# Altium PCB Booster_Main_Board.PcbDoc (part 11 of 11)
Units mil, origin at the board's own origin, x right, y up, seen from the top; angles counter-clockwise.
Board outline 15748.38 x 4626.33 mil, 4 copper layers (Component Side, Signal Layer 1, Power Plane, Solder Side), stack 63.149 mil thick; 999 components, 572 nets, 2902 pads, 1949 vias.
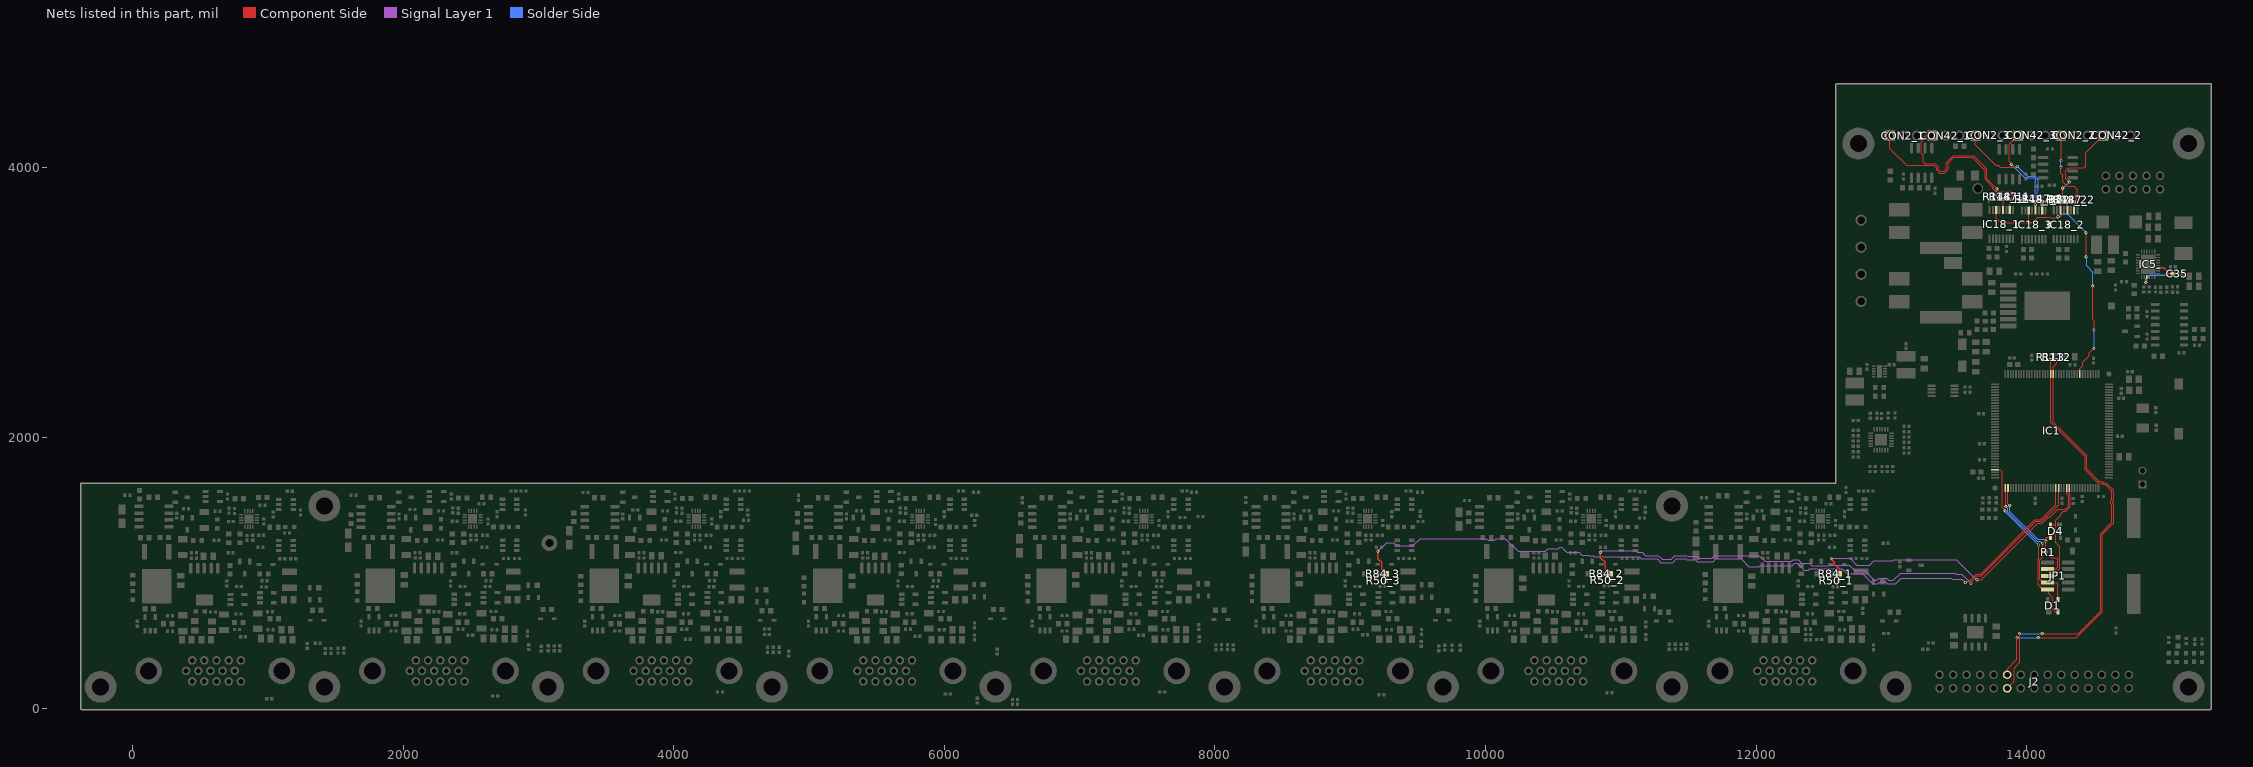
[diagram p13: the nets of this part, all layers, seen from the top]

## Via types
v1: diameter 23.62, hole 11.81, Component Side to Solder Side, tented both sides, 1910 vias
v2: diameter 50, hole 28, Component Side to Solder Side, tented both sides, 24 vias
v3: diameter 23.62, hole 11.81, Component Side to Solder Side, 10 vias
v4: diameter 47.24, hole 31.5, Component Side to Solder Side, 5 vias

## Nets (pads, with @x,y where several pads share a name; then routed paths per layer and width w, separated by ;. In a path a pad name is that pad's centre, name@x,y a point inside that pad or via, vN(x,y) a via of type N, cw(c..) or ccw(c..) an arc to the next point about the centre after c; other vN are vias at no path point) (continued)
SIG_ON_CH5: IC1.128 R50_3.1 R84_3.2 | length 5970.7
  Component Side w6: v1(13545,929) 13556,940 13574.88,940 13626.2,991.31 13659.88,991.31 14060.57,1392 14103.94,1392 14215.53,1503.59 IC1.128@14215.53,1627.74
  Component Side w10: v1(9204,1160) 9204,1105.14 9231.39,1077.75 9231.39,1031.96 R84_3.2@9270.21,993.14 9270.21,950.13 R50_3.1@9262.22,942.14
  Signal Layer 1 w6: v1@9204,1156 v1(9204,1160) 9267.95,1223.95 9320.05,1223.95 9342.81,1201.19 9463.19,1201.19 9516,1254 10006.07,1254 10018.47,1241.61 10065.53,1241.61 10077.93,1254 10147,1254 10242.02,1158.98 10440.39,1158.98 10459.4,1178 10536.57,1178 10547.38,1188.81 10564.62,1188.81 10582.81,1170.62 10582.81,1170.25 10601.06,1152 10692,1152 10712.05,1131.95 10757.85,1131.95 10761.8,1128 10798,1128 10806.81,1119.19 11134.61,1119.19 11150.85,1102.95 11268.51,1102.95 11295.17,1076.29 11382,1076.29 11408.66,1102.95 11483.28,1102.95 11487.83,1098.4 11551.37,1098.4 11565.79,1083.98 11682.9,1083.98 11701.88,1102.95 11888.05,1102.95 11946,1045 12023.12,1045 12031.12,1053 12265.57,1053 12285.38,1072.81 12302.62,1072.81 12357.14,1018.29 12384.75,1018.29 12395.65,1029.19 12635.72,1029.19 12671.91,993 12788.03,993 12861.03,920 12900.68,920 12915.49,934.81 12953.56,934.81 12968.37,920 13030,920 13071.81,961.81 13443.62,961.81 13451.24,954.19 13519.81,954.19 v1(13545,929)
SIG_ON_CH6: IC1.129 R50_2.1 R84_2.2 | length 4220.7
  Component Side w6: v1(13588,922) 13588,936.15 13631.17,979.31 13664.88,979.31 14065.57,1380 14110.63,1380 14152.26,1421.63 14153.63,1421.63 14235.21,1503.21 IC1.129@14235.21,1627.74
  Component Side w10: v1(10849,1152) 10849,1113.68 10884.94,1077.75 10884.94,1031.96 R84_2.2@10923.76,993.14 10923.76,950.13 R50_2.1@10915.76,942.14
  Signal Layer 1 w6: v1(10849,1152) 10860,1163 11112.72,1163 11122.85,1152.87 11157.16,1152.87 11182.08,1127.95 11277.45,1127.95 11305.11,1100.29 11372.06,1100.29 11399.72,1127.95 11492.22,1127.95 11497.77,1122.4 11561.31,1122.4 11575.73,1107.98 11672.96,1107.98 11692.94,1127.95 11975.76,1127.95 11976.76,1126.95 12023.76,1126.95 12066.39,1084.33 12262.96,1084.33 12275.44,1096.81 12312.56,1096.81 12337.37,1072 12391.02,1072 12409.83,1053.19 12534,1053.19 12539,1058.19 12689.87,1058.19 12730.06,1018 12798.63,1018 12872.63,944 12890.74,944 12905.55,958.81 12963.5,958.81 12978.31,944 13014,944 13068,998 13206.6,998 13208.41,996.19 13269.19,996.19 13271,998 13470,998 13479,989 13521,989 v1(13588,922)
SIG_ON_CH7: IC1.132 R50_1.1 R84_1.2 | length 2407.2
  Component Side w6: v1(13632,950) 13665,950 14083,1368 14115.6,1368 14157.23,1409.63 14169.63,1409.63 14229.19,1469.19 14285.35,1469.19 14308.81,1492.65 14308.81,1571.62 14294.27,1586.16 IC1.132@14294.27,1627.74
  Component Side w10: v1(12558,1107) 12558,1097.6 12577.85,1077.75 12577.85,1065.59 12616.67,1026.77 R84_1.2@12616.67,993.14 12616.67,950.13 R50_1.1@12608.68,942.14
  Signal Layer 1 w6: v1(12558,1107) 12694,1107 12743,1058 12839,1058 12870.45,1089.45 13010.02,1089.45 13017.38,1096.81 13078.38,1096.81 13079.38,1097.81 13480.62,1097.81 13628.43,950 v1(13632,950)
SWCLK: D1.3 IC1.109 JP1.4 | length 1077.2
  Component Side w6: IC1.109@13841.51,1627.74 13837,1623.23 13845,1615.23 v1(13845,1490) ; v1(14117,1217) 14117,1117.6 14096.98,1097.58 14096.98,953.02 14122,928 JP1.4@14153.23,928 14219.64,928 14230.31,917.32 D1.3@14230.31,803.15
  Solder Side w6: v1(13845,1490) 13845,1489 13860.81,1473.19 13860.81,1449.16 14076.97,1233 14101,1233 v1(14117,1217)
SWDIO: D1.2 IC1.105 JP1.2 | length 1302.1
  Component Side w6: IC1.105@13764.74,1763.57 13804.42,1763.57 13817.75,1750.23 13817.75,1482.25 v1(13840,1460) ; v1(14087,1206) 14087.81,1205.19 14087.81,1105.38 14084.98,1102.55 14084.98,912.02 14119,878 JP1.2@14153.23,878 14163.39,867.84 14163.39,846.46 14192.91,816.93 14192.91,728.35 14208.66,712.6 D1.2@14230.31,712.6
  Solder Side w6: v1(13840,1460) 13840,1453 v1(14087,1206)
SWN1: IC1.54 J2.19 R112.1 | length 3140.5
  Component Side w6: J2.19@13855.12,246.85 13855.12,289.12 13927.08,361.08 v1@13927.08,521.65 ; v1(14084.65,521.65) 14367.36,521.65 14559,713.29 14559,1285.03 14643,1369.03 14643,1504.57 14634.19,1513.38 14634.19,1530.62 14643.78,1540.22 14643.78,1577.48 14642,1579.26 14642,1609.08 14587.7,1663.38 14573.59,1663.38 14558.7,1678.27 14533.36,1678.27 14442.81,1768.82 14442.81,1867.19 14195.84,2114.16 IC1.54@14195.84,2470.26 14195.84,2522.84 14221,2548 R112.1@14221,2576.5
  Solder Side w6: v1(13927.17,521.65) v1(14084.65,521.65)
SWN2: IC1.55 J2.20 R113.1 | length 3225.2
  Component Side w6: J2.20@13855.12,146.85 13906,197.73 13906,297 13947.98,338.98 v1@13947.98,551.18 ; v1(14114.15,551.18) 14379.92,551.18 14547,718.26 14547,1290 14630,1373 14630,1500.6 14622.19,1508.41 14622.19,1535.59 14630,1543.4 14630,1604.11 14582.73,1651.38 14568.62,1651.38 14559,1661 14545.39,1661 14540.12,1666.27 14528.39,1666.27 14520.66,1674 14518,1674 14430.81,1761.19 14430.81,1857.19 14176.16,2111.84 IC1.55@14176.16,2470.26 14176.16,2575.65 R113.1@14177,2576.5
  Solder Side w6: v1(13946.85,551.18) 13947.98,550.06 14113.02,550.06 v1(14114.15,551.18)
TACH1_1: CON2_1.1 IC18_1.2 R147_1.1 | length 1454.6
  Component Side w6: CON2_1.1@12987.61,4232.09 12989.02,4230.69 12989.02,4135.98 13111.41,4013.59 13312.7,4013.59 13335.3,3991 13335.3,3978.54 13358.78,3955.06 13391.12,3955.06 13418,3981.94 13418,4027.12 13461.37,4070.49 13598.05,4070.49 13680.16,3988.38 13686.07,3988.38 13693.1,3981.35 13693.1,3908.04 13749.3,3851.84 13749.3,3839.38 13771.41,3817.27 13889.95,3817.27 13895.22,3812 13895.22,3781.05 R147_1.1@13874.02,3759.84 13874.02,3683.56 IC18_1.2@13874.51,3683.07
TACH1_2: CON2_2.1 IC18_2.2 R147_2.1 | length 644.9
  Component Side w6: CON2_2.1@14251.39,4233.08 14253.94,4230.53 v1(14253.94,4048.23) ; v1(14252.95,3999.02) 14252.95,3954.72 14266,3941.68 14266,3890.35 14300.39,3855.97 14351.71,3855.97 14374.02,3833.66 14374.02,3764.63 14367.31,3757.93 14365.21,3757.93 14351.38,3744.09 R147_2.1@14351.38,3741.34 14349.9,3739.86 IC18_2.2@14349.9,3681.1
  Solder Side w6: v1(14252.95,3999.02) 14252.95,4047.24 v1(14253.94,4048.23)
TACH1_3: CON2_3.1 IC18_3.2 R147_3.1 | length 924.7
  Component Side w6: CON2_3.1@13620.48,4233.08 13620.48,4163.67 13769.72,4014.43 13788.03,4014.43 13803.74,3998.72 13926.75,3998.72 v1@13930,4001.97 ; v1(13930,4003.96) v1@13930,4010 ; IC18_3.2@14114.67,3679.13 v1(14114.67,3721.46) 14114.67,3741.83 R147_3.1@14118.11,3745.28
  Solder Side w6: v1(13930,4003.96) 14001.96,3932 14030.6,3932 14031.41,3932.81 14058.59,3932.81 14084.79,3906.61 14084.79,3831.93 14076.67,3823.81 14076.67,3761.7 14074.8,3759.84 14076.28,3759.84 v1(14114.67,3721.46)
TACH2_1: CON42_1.1 IC18_1.4 R148_1.1 | length 1278.8
  Component Side w6: CON42_1.1@13302.57,4232.09 13252.76,4232.09 13234.01,4213.34 13234.01,4200.32 13221.46,4187.76 13221.46,4100.16 13235.24,4086.38 13235.24,4038.39 13248.03,4025.59 13327,4025.59 13327,4021.05 13347.3,4000.75 13347.3,3983.51 13363.75,3967.06 13386.15,3967.06 13406,3986.91 13406,4032.09 13456.4,4082.49 13608.93,4082.49 13705.1,3986.32 13705.1,3913.01 v1(13779.53,3838.58) ; v1(13766.58,3784.29) 13766.58,3782.64 13793.17,3756.05 13822.98,3756.05 R148_1.1@13826.77,3759.84 13826.77,3685.33 IC18_1.4@13824.51,3683.07
  Signal Layer 1 w6: v1(13766.58,3784.29) 13779.53,3797.24 v1(13779.53,3838.58)
TACH2_2: CON42_2.1 IC18_2.4 R148_2.1 | length 782.8
  Component Side w6: v1(14266.44,3842.71) 14266.44,3772.93 14298.03,3741.34 R148_2.1@14299.21,3741.34 14299.9,3740.65 IC18_2.4@14299.9,3681.1 ; v1(14313.98,3888.78) 14313.52,3888.78 14290,3912.3 14290,3977.7 14303.3,3991 14311,3991 14312.82,3992.82 14424.91,3992.82 14437.01,4004.92 14437.01,4105.31 14564.77,4233.08 CON42_2.1@14566.35,4233.08
  Solder Side w6: v1(14266.44,3842.71) 14267.9,3842.71 v1(14313.98,3888.78)
TACH2_3: CON42_3.1 IC18_3.4 R148_3.1 | length 704.9
  Component Side w6: v1(13885,4019.53) 13885,4030 13871.06,4043.94 13871.06,4168.69 CON42_3.1@13935.45,4233.08 ; IC18_3.4@14064.67,3679.13 v1(14064.67,3721.46)
  Solder Side w6: v1(13885,4019.53) 13984.53,3920 14035.57,3920 14036.38,3920.81 14053.62,3920.81 14065.81,3908.62 14065.81,3891.38 14064.67,3890.23 14064.67,3766.68 14062.8,3764.81 14062.8,3723.32 v1(14064.67,3721.46)
TDI: D4.3 IC1.110 JP1.8 R1.2 | length 930.8
  Component Side w6: IC1.110@13861.2,1627.74 13861.2,1512.8 v1(13875,1499) ; JP1.8@14153.23,1028 14213,1028 14231,1046 14231,1101 14220.5,1111.5 14182.5,1111.5 14141.5,1152.5 R1.2@14141.5,1154 14142,1154.5 v1(14142,1235) 14143.7,1236.7 14143.7,1259.84 14147.64,1263.78 D4.3@14175.2,1263.78
  Solder Side w6: v1(13875,1499) 13875,1451.94 14079.94,1247 14128,1247 14140,1235 v1(14142,1235)
TDO: D4.2 IC1.133 JP1.6 | length 772.2
  Component Side w6: D4.2@14175.2,1354.33 14209.5,1354.33 14213.44,1358.27 ; JP1.6@14196,985 14243,1032 14243,1191.81 14213.44,1221.37 14213.44,1358.27 ; IC1.133@14313.95,1627.74 14313.95,1583.45 14320.81,1576.59 14320.81,1487.68 14289.37,1456.24 14271.28,1456.24 14250.81,1435.78 14250.81,1425.94 14213.44,1388.57 14213.44,1358.27
THERMN: IC1.44 IC18_1.6 IC18_2.6 IC18_3.6 R22.2 | length 2159.1
  Component Side w6: IC18_1.6@13774.51,3683.07 13774.51,3622.05 13807.8,3588.76 v1(14014.46,3588.76) ; IC18_3.6@14014.67,3679.13 14014.67,3588.96 v1(14014.46,3588.76) ; v1@14230.9,3624.02 14173.13,3624.02 14167.08,3630.06 14080.95,3630.06 14058.21,3607.33 14058.21,3599.65 14046.02,3587.46 14015.76,3587.46 v1(14014.46,3588.76) ; v1@14241.2,3628.02 14249.9,3636.71 IC18_2.6@14249.9,3681.1 14249.9,3735.53 R22.2@14244.09,3741.34 ; IC1.44@14392.69,2470.26 14392.69,2509.52 14412.7,2529.53 14412.7,2555.28 14459.8,2602.37 14459.8,2607.62 14461.94,2609.77 14461.94,2631.24 14464.66,2631.24 14490.9,2657.47 v1(14498,2657.47) ; v1(14438.95,3336.61) v1(14438.98,3513.78) ; v1(14488.19,3120.08) 14488.19,3100.39 14489.29,3099.3 14489.29,3072.08 14488.19,3070.99 14488.19,2874.02 14498.03,2864.17 v1(14498.03,2795.28)
  Solder Side w6: v1(14230.9,3632.78) 14241.31,3632.78 14242.2,3631.89 14263,3652.69 14300.06,3652.69 v1(14438.98,3513.78) ; v1(14438.95,3336.61) 14442.26,3333.3 14442.26,3268.85 14488.19,3222.92 v1(14488.19,3120.08) ; v1(14498,2657.47) v1(14498.03,2795.28)
VIN_REG_N7: C35.2 IC5.11 IC5.17 | length 385.9
  Component Side w10: v1(14879.86,3145.61) 14879.86,3152.61 14887.02,3159.76 IC5.11@14887.02,3187.12 ; IC5.17@14971.66,3252.08 14991.73,3252.08 14994.86,3255.2 15014.09,3255.2 15036.86,3232.44 v1(15036.86,3208.61) 15037.86,3209.61 C35.2@15080.36,3209.61
  Solder Side w10: v1(14879.86,3145.61) 14879.86,3170.61 14910.04,3200.79 15029.04,3200.79 v1(15036.86,3208.61)
pads on no net: IC1.6 IC1.7 IC1.8 IC1.9 IC1.10 IC1.11 IC1.12 IC1.46 IC1.47 IC1.49 IC1.50 IC1.53 IC1.87 IC1.88 IC1.92 IC1.96 IC1.97 IC1.100 IC1.112 IC1.113 IC1.135 IC1.FTG1 IC1.FTG2 IC4.4 IC4.7 IC9_1.7 IC9_2.7 IC9_3.7 IC9_4.7 IC9_5.7 IC9_6.7 IC9_7.7 IC9_8.7 IC12.4 IC12.7 IC18_1.7 IC18_2.7 IC18_3.7 JP1.7 JP1.9 U1_1.7 U1_2.7 U1_3.7 U1_4.7 U1_5.7 U1_6.7 U1_7.7 U1_8.7
copper on no net: | length 104050.8
  Component Side w1: 10290.24,2004.27 10389.92,2103.96 10509.92,2223.96 10629.92,2343.96 10749.92,2463.96 10869.92,2583.96 10989.92,2703.96 11109.92,2823.96 11229.92,2943.96 11349.92,3063.96 11409.92,3123.96 ; 10290.24,2064.27 10329.92,2103.96 10449.92,2223.96 10569.92,2343.96 10689.92,2463.96 10809.92,2583.96 10929.92,2703.96 11049.92,2823.96 11169.92,2943.96 11289.92,3063.96 11409.92,3183.96 ; 10290.24,2124.27 10389.92,2223.96 10509.92,2343.96 10629.92,2463.96 10749.92,2583.96 10869.92,2703.96 10989.92,2823.96 11109.92,2943.96 11229.92,3063.96 11349.92,3183.96 11409.92,3243.96 ; 10290.24,2184.27 10329.92,2223.96 10449.92,2343.96 10569.92,2463.96 10689.92,2583.96 10809.92,2703.96 10929.92,2823.96 11049.92,2943.96 11169.92,3063.96 11289.92,3183.96 11409.92,3303.96 ; 10290.24,2244.27 10389.92,2343.96 10509.92,2463.96 10629.92,2583.96 10749.92,2703.96 10869.92,2823.96 10989.92,2943.96 11109.92,3063.96 11229.92,3183.96 11349.92,3303.96 ; 10290.24,2304.27 10329.92,2343.96 10449.92,2463.96 10569.92,2583.96 10689.92,2703.96 10809.92,2823.96 10929.92,2943.96 11049.92,3063.96 11169.92,3183.96 11289.92,3303.96 ; 10290.24,2364.27 10389.92,2463.96 10509.92,2583.96 10629.92,2703.96 10749.92,2823.96 10869.92,2943.96 10989.92,3063.96 11109.92,3183.96 11229.92,3303.96 ; 10290.24,2424.27 10329.92,2463.96 10449.92,2583.96 10569.92,2703.96 10689.92,2823.96 10809.92,2943.96 10929.92,3063.96 11049.92,3183.96 11169.92,3303.96 ; 10290.24,2484.27 10389.92,2583.96 10509.92,2703.96 10629.92,2823.96 10749.92,2943.96 10869.92,3063.96 10989.92,3183.96 11109.92,3303.96 ; 10290.24,2544.27 10329.92,2583.96 10449.92,2703.96 10569.92,2823.96 10689.92,2943.96 10809.92,3063.96 10929.92,3183.96 11049.92,3303.96 ; 10290.24,2604.27 10389.92,2703.96 10509.92,2823.96 10629.92,2943.96 10749.92,3063.96 10869.92,3183.96 10989.92,3303.96 ; 10290.24,2664.27 10329.92,2703.96 10449.92,2823.96 10569.92,2943.96 10689.92,3063.96 10809.92,3183.96 10929.92,3303.96 ; 10290.24,2724.27 10389.92,2823.96 10509.92,2943.96 10629.92,3063.96 10749.92,3183.96 10869.92,3303.96 ; 10290.24,2784.27 10329.92,2823.96 10449.92,2943.96 10569.92,3063.96 10689.92,3183.96 10809.92,3303.96 ; 10290.24,2844.27 10389.92,2943.96 10509.92,3063.96 10629.92,3183.96 10749.92,3303.96 ; 10290.24,2904.27 10329.92,2943.96 10449.92,3063.96 10569.92,3183.96 10689.92,3303.96 ; 10290.24,2964.27 10389.92,3063.96 10509.92,3183.96 10629.92,3303.96 ; 10290.24,3024.27 10329.92,3063.96 10449.92,3183.96 10569.92,3303.96 ; 10290.24,3084.27 10389.92,3183.96 10509.92,3303.96 ; 10290.24,3144.27 10329.92,3183.96 10449.92,3303.96 ; 10290.24,3204.27 10389.92,3303.96 ; 10290.24,3264.27 10329.92,3303.96 ; 10329.92,1983.96 10449.92,2103.96 10569.92,2223.96 10689.92,2343.96 10809.92,2463.96 10929.92,2583.96 11049.92,2703.96 11169.92,2823.96 11289.92,2943.96 11409.92,3063.96 ; 10389.92,1983.96 10509.92,2103.96 10629.92,2223.96 10749.92,2343.96 10869.92,2463.96 10989.92,2583.96 11109.92,2703.96 11229.92,2823.96 11349.92,2943.96 11409.92,3003.96 ; 10449.92,1983.96 10569.92,2103.96 10689.92,2223.96 10809.92,2343.96 10929.92,2463.96 11049.92,2583.96 11169.92,2703.96 11289.92,2823.96 11409.92,2943.96 ; 10509.92,1983.96 10629.92,2103.96 10749.92,2223.96 10869.92,2343.96 10989.92,2463.96 11109.92,2583.96 11229.92,2703.96 11349.92,2823.96 11409.92,2883.96 ; 10569.92,1983.96 10689.92,2103.96 10809.92,2223.96 10929.92,2343.96 11049.92,2463.96 11169.92,2583.96 11289.92,2703.96 11409.92,2823.96 ; 10629.92,1983.96 10749.92,2103.96 10869.92,2223.96 10989.92,2343.96 11109.92,2463.96 11229.92,2583.96 11349.92,2703.96 11409.92,2763.96 ; 10689.92,1983.96 10809.92,2103.96 10929.92,2223.96 11049.92,2343.96 11169.92,2463.96 11289.92,2583.96 11409.92,2703.96 ; 10749.92,1983.96 10869.92,2103.96 10989.92,2223.96 11109.92,2343.96 11229.92,2463.96 11349.92,2583.96 11409.92,2643.96 ; 10809.92,1983.96 10929.92,2103.96 11049.92,2223.96 11169.92,2343.96 11289.92,2463.96 11409.92,2583.96 ; 10869.92,1983.96 10989.92,2103.96 11109.92,2223.96 11229.92,2343.96 11349.92,2463.96 11409.92,2523.96 ; 10929.92,1983.96 11049.92,2103.96 11169.92,2223.96 11289.92,2343.96 11409.92,2463.96 ; 10989.92,1983.96 11109.92,2103.96 11229.92,2223.96 11349.92,2343.96 11409.92,2403.96 ; 11049.92,1983.96 11169.92,2103.96 11289.92,2223.96 11409.92,2343.96 ; 11109.92,1983.96 11229.92,2103.96 11349.92,2223.96 11409.92,2283.96 ; 11169.92,1983.96 11289.92,2103.96 11409.92,2223.96 ; 11229.92,1983.96 11349.92,2103.96 11409.92,2163.96 ; 11289.92,1983.96 11409.92,2103.96 ; 11349.92,1983.96 11409.92,2043.96
  Component Side w15: 6861.12,2103.96 7271.03,2103.96 8210.78,2103.96 9070.54,2103.96 9720.38,2103.96 10290.24,2103.96 11409.92,2103.96 ; 6861.12,2223.96 7271.03,2223.96 8210.78,2223.96 9070.54,2223.96 9720.38,2223.96 10290.24,2223.96 11409.92,2223.96 ; 6861.12,2343.96 7271.03,2343.96 8210.78,2343.96 9070.54,2343.96 9720.38,2343.96 10290.24,2343.96 11409.92,2343.96 ; 6861.12,2463.96 7271.03,2463.96 8210.78,2463.96 9070.54,2463.96 9720.38,2463.96 10290.24,2463.96 11409.92,2463.96 ; 6861.12,2583.96 7271.03,2583.96 8210.78,2583.96 9070.54,2583.96 9720.38,2583.96 10290.24,2583.96 11409.92,2583.96 ; 6861.12,2703.96 7271.03,2703.96 8210.78,2703.96 9070.54,2703.96 9720.38,2703.96 10290.24,2703.96 11409.92,2703.96 ; 6861.12,2823.96 7271.03,2823.96 8210.78,2823.96 9070.54,2823.96 9720.38,2823.96 10290.24,2823.96 11409.92,2823.96 ; 6861.12,2943.96 7271.03,2943.96 8210.78,2943.96 9070.54,2943.96 9720.38,2943.96 10290.24,2943.96 11409.92,2943.96 ; 6861.12,3063.96 7271.03,3063.96 8210.78,3063.96 9070.54,3063.96 9720.38,3063.96 10290.24,3063.96 11409.92,3063.96 ; 6861.12,3183.96 7271.03,3183.96 8210.78,3183.96 9070.54,3183.96 9720.38,3183.96 10290.24,3183.96 11409.92,3183.96 ; 6861.12,3303.96 11409.92,3303.96 ; 7271.03,3423.96 7271.03,1983.96 ; 8210.78,3423.96 8210.78,1983.96 ; 9070.54,3423.96 9070.54,1983.96 ; 9720.38,3423.96 9720.38,1983.96 ; 10290.24,3423.96 10290.24,1983.96 ; 7271.03,1983.96 8210.78,1983.96 ; 7271.03,1983.96 6861.12,1983.96 6861.12,3423.96 11409.92,3423.96 11409.92,1983.96 10290.24,1983.96 ; 8210.78,1983.96 9070.54,1983.96 ; 9070.54,1983.96 9720.38,1983.96 ; 9720.38,1983.96 10290.24,1983.96

## Polygon pours and split planes (outlines as drawn)
P6V5 on Solder Side "Solder Side-No Net" (solid, remove dead copper, pour order 68): 13149.61,787.4 13464.57,1102.36 13464.57,2480.31 13543.31,2559.05 13543.31,2805.12 13435.04,2805.12 13188.98,2559.06 13188.98,1181.1 12992.13,984.25 472.44,984.25 472.44,787.4
P30V0 on Solder Side "Solder Side-No Net" (solid, remove dead copper, pour order 58): 13188.98,2598.43 13464.57,2874.02 13464.57,3172.57 13572.83,3280.83 13572.84,3740.16 12962.6,3740.16 12627.95,3405.51 12627.95,1663.39 -374.02,1663.39 -374.02,994.09 12992.13,994.09 13188.98,1190.94
GND on Solder Side "ML1_BAL" (solid, remove dead copper, pour order 48): -354.33,984.25 462.6,984.25 462.6,777.56 472.44,767.72 482.28,777.56 13149.61,777.56 13169.29,777.56 13484.25,1092.52 13484.25,1161.42 13484.25,2480.31 13503.94,2500 13553.15,2549.21 13553.15,2598.43 13553.15,2824.8 13484.25,2824.8 13484.25,3169.29 13503.94,3188.98 13592.52,3277.56 13592.52,3366.14 13592.52,3753.4 14660.73,3753.4 14660.73,3055.81 14734.25,2982.28 14881.89,2982.28 15206.69,2982.28 15255.91,3031.5 15255.91,3090.55 15255.91,3700.79 15246.06,3710.63 15243.36,3707.92 14901.57,3707.92 14763.53,3707.92 14701.77,3769.68 13503.94,3769.69 13238.19,3769.69 12972.44,3769.69 12785.43,3582.68 12677.17,3474.41 12667.32,3474.41 12637.8,3444.88 12618.11,3425.2 12599.43,3425.2 12608.27,3434.04 12608.27,4330.71 15344.49,4330.71 15354.33,4320.87 15344.49,4311.02 15344.49,0 -354.33,0
N8V0 on Solder Side "Top-No Net" (solid, remove dead copper, pour order 28): 14665.35,3681.1 15236.22,3681.1 15236.22,3031.5 15216.54,3011.81 14940.94,3011.81 14921.26,3011.81 14901.57,2992.13 14803.15,2992.13 14744.09,2992.13 14704.72,3031.5 14665.35,3070.87 14665.35,3484.25 14665.35,3681.1
N8V0 on Signal Layer 1 "Signal Layer 1-No Net" (solid, remove dead copper, pour order 66): 14751.97,3169.29 14751.97,3314.96 14751.97,3697.34 14488.19,3697.34 14488.19,3328.87 13415.36,3326.79 13188.98,3326.79 13188.98,1525.59 13462,1252.57 13462,787.4 13020.01,787.4 12879.44,683.15 682.42,683.15 682.42,472.44 12874.02,472.44 13228.35,472.44 13267.72,511.81 13503.94,511.81 13818.9,826.77 13818.9,1181.1 13415.36,1584.64 13415.36,3169.29
P3V3 on Signal Layer 1 "Signal Layer 1-No Net 1" (solid, remove dead copper, pour order 54): 12578.74,1673.23 12599.43,1673.23 12598.43,1674.23 12598.43,4606.3 15354.33,4606.3 15354.33,0 15334.65,19.69 13267.72,19.69 13267.72,467.31 13292.53,492.13 13523.62,492.13 13838.58,807.09 13838.58,1200.09 13444.19,1594.49 13444.88,1595.18 13444.88,3149.61 14606.3,3149.61 14842.52,2913.39 15157.48,2913.39 15172.64,2928.54 15172.64,3725 14505.17,3725 14468.5,3688.34 14468.5,3346.46 13169.29,3346.46 13169.29,1515.75 13248.03,1437.01 13248.03,1417.32 13240.92,1410.21 12710.97,1410.21 12539.37,1581.81 12578.74,1621.18
N8V0R on Signal Layer 1 "Signal Layer 1-No Net 1" (solid, remove dead copper, pour order 76): 14771.65,3700.79 15157.48,3700.79 15157.48,2944.88 15141.73,2929.13 14850.39,2929.13 14767.72,3011.81 14767.72,3696.85
P3V3 on Signal Layer 1 "ML1_BAL" (solid, remove dead copper, pour order 46): -374.02,1663.56 -364.35,1673.23 12578.74,1673.23 12578.74,1633.86 12785.6,1427 12903.54,1427 12933.07,1427 12933.07,708.66 688.98,708.66 629.92,649.61 649.61,629.92 649.61,531.5 649.61,482.28 688.98,442.91 698.82,433.07 698.82,0 -364.17,0
GND on Component Side "Signal Layer 1-No Net 1" (solid, remove dead copper, pour order 74): 14708.66,3673.23 14864.08,3673.23 14864.08,3523.62 14708.66,3523.62
N8V0 on Component Side "Signal Layer 1-No Net 1" (solid, remove dead copper, pour order 72): 14700.79,3673.23 14700.79,3531.5 14578.74,3531.5 14578.74,3334.65 14574.8,3330.71 14570.87,3334.65 14467.63,3334.65 14452.76,3349.52 14452.76,3625.98 14500,3673.23
N8V0R on Component Side "Signal Layer 1-No Net 1" (solid, remove dead copper, pour order 70): 14940.94,3688.98 14940.94,3440.94 14897.64,3440.94 14889.76,3433.07 14889.76,3357.08 14885.83,3353.14 14885.83,3334.65 14879.14,3334.65 14867.33,3322.83 14783.46,3322.83 14767.72,3338.58 14586.61,3338.58 14586.61,3342.52 14586.61,3519.69 14866.14,3519.69 14866.14,3681.1 14874.02,3688.98
GND on Component Side "Signal Layer 1-No Net 1" (solid, pour order 62): 13208.66,3484.25 13503.94,3484.25 13503.94,3582.68 13700.79,3582.68 13700.79,3346.46 13696.85,3342.52 13696.85,3303.15 13759.84,3303.15 13759.84,3208.66 13208.66,3208.66
P12V0 on Component Side "Top-No Net" (solid, remove dead copper, pour order 26): 13527.56,3228.35 14409.45,3228.35 14448.82,3267.72 14448.82,3307.09 14468.5,3326.77 14842.52,3326.77 14842.52,3267.72 14803.15,3267.72 14645.67,3110.24 13527.56,3110.24
GND on Component Side "ML1_BAL" (solid, remove dead copper, pour order 36): 14950.79,3690.94 14950.79,3435.04 15265.75,3435.04 15265.75,3681.1 15255.91,3690.94 14960.63,3690.94
P3V3 on Component Side "ML1_BAL" (solid, remove dead copper, pour order 32): 12696.85,2677.17 12805.12,2785.43 13218.5,2785.43 13336.61,2667.32 13356.3,2647.64 13356.3,2588.58 13356.3,2509.84 13307.09,2460.63 13208.66,2362.2 13169.29,2362.2 13031.5,2362.2 13011.81,2381.89 12952.76,2440.94 12952.76,2500 12952.76,2529.53 12923.23,2559.06 12785.43,2559.06 12696.85,2559.06 12687.01,2568.9 12687.01,2667.32
GND on Component Side "Signal Layer 1-No Net 1" (solid, remove dead copper, pour order 64): 13700.79,3090.55 13169.29,3090.55 13169.29,2814.96 13582.68,2814.96 13582.68,2913.39 13720.47,2913.39 13720.47,3005.51 13746.46,3031.5 13779.53,3031.5 13779.53,3090.55
P30V0 on Component Side "Signal Layer 1-No Net 1" (solid, remove dead copper, pour order 60): 13208.66,3503.94 13484.25,3503.94 13484.25,3602.36 13681.1,3602.36 13681.1,3987.43 13672.47,3996.06 13562.99,3996.06 13562.99,3799.21 13543.31,3779.53 13208.66,3779.53
NetC23_2 on Component Side "ML1_BAL" (solid, remove dead copper, pour order 38): 14903.03,3435.39 15265.75,3435.39 15265.75,3257.87 15177.17,3257.87 15167.32,3248.03 15108.27,3248.03 15047.43,3248.03 15029.53,3265.94 15017.91,3277.56 14950.79,3277.56 14950.79,3346.46 14940.94,3356.3 14891.73,3356.3
GND on Power Plane (split plane): 15344.25,10.08 -363.93,10.08 -363.93,1643.46 12589.41,1643.46 12593.33,1643.85 12597.1,1644.99 12600.58,1646.85 12603.62,1649.35 12606.12,1652.39 12607.98,1655.87 12609.12,1659.64 12609.51,1663.56 12609.51,4596.22 15344.25,4596.22

## Keep-outs
Keep-Out Layer:
  lines w3.94: 12598.43,1653.54 -374.02,1653.54 -374.02,0 15354.33,0 15354.33,4606.3 12599.43,4606.3 12599.43,1656.54

## Other copper
Component Side:
  rectangle net P30V0: 4675.2,1210.63 4832.68,1427.17
  rectangle net P30V0: 6318.9,1240.16 6476.38,1417.32
  rectangle net P30V0: 3041.34,1190.94 3129.92,1446.85
  rectangle net P30V0: 8011.81,1240.16 8149.61,1437.01
  rectangle net GND: 13726,435 13813,545
  rectangle net GND: 13414,504 13732,623
  rectangle net N8V0: 492,1372 539,1419
  rectangle net N8V0: 1570,547 1617,594
  rectangle net N8V0: 3226,544 3273,591
  rectangle net N8V0: 4906,533 4953,580
  rectangle net N8V0: 6539,536 6586,583
  rectangle net N8V0: 8162,536 8209,583
  rectangle net N8V0: 9842,539 9889,586
  rectangle net N8V0: 11513,519 11560,566
  rectangle net GND: 12762,604 12807,676
  rectangle net GND: 11068,604 11114,655
  rectangle net GND: 9414,607 9460,658
  rectangle net GND: 7762,606 7808,657
  rectangle net GND: 6107,607 6153,658
  rectangle net GND: 4454,608 4500,659
  rectangle net GND: 2801,606 2847,657
  rectangle net GND: 1147,600 1193,651
  rectangle net GND: 13434,513 13802,556
  rectangle net NetC21_2: 15100,694 15209,806
  rectangle net NetC21_2: 13533,687 13557,724
  rectangle net NetC21_2: 13684,688 13706,729
  rectangle net NetC21_2: 13533,706 13821,752
  rectangle net NetC21_2: 13746,590 13821,745
  rectangle net NetC57_2: 12737,2390 12786,2476
  rectangle net NetC57_2: 12768,2482 12859,2514
  rectangle net GND: 428,727 485,840
  rectangle net GND: 1098,723 1141,782
  rectangle net P30V0: 301,1199 426,1274
  rectangle net P6V5: 575,908 626,981
  rectangle net P6V5: 567,908 593,1002
  rectangle net GND: 490,1269 564,1347
  rectangle net GND: 335,1051 404,1131
  rectangle net GND: 512,907 547,1156
  rectangle net GND: 432,622 484,730
  rectangle net GND: 451,625 600,686
  rectangle net GND: 12126.17,908.14 12161.17,1157.14
  rectangle net P6V5: 12189.17,909.14 12240.17,982.14
  rectangle net P6V5: 12181.17,909.14 12207.17,1003.14
  rectangle net GND: 12042.17,728.14 12099.17,841.14
  rectangle net GND: 12046.17,623.14 12098.17,731.14
  rectangle net GND: 12065.17,626.14 12214.17,687.14
  rectangle net GND: 12712.17,724.14 12755.17,783.14
  rectangle net GND: 11949.17,1052.14 12018.17,1132.14
  rectangle net P30V0: 11915.17,1200.14 12040.17,1275.14
  rectangle net GND: 10433.26,908.14 10468.26,1078.81
  rectangle net P6V5: 10496.26,909.14 10547.26,982.14
  rectangle net P6V5: 10488.26,909.14 10514.26,1003.14
  rectangle net GND: 10349.26,728.14 10406.26,841.14
  rectangle net GND: 10353.26,623.14 10405.26,731.14
  rectangle net GND: 10372.26,626.14 10521.26,687.14
  rectangle net GND: 10411.26,1270.14 10485.26,1348.14
  rectangle net GND: 11019.26,724.14 11062.26,783.14
  rectangle net GND: 10256.26,1052.14 10325.26,1132.14
  rectangle net P30V0: 10222.26,1200.14 10347.26,1275.14
  rectangle net GND: 8779.72,908.14 8814.72,1157.14
  rectangle net P6V5: 8842.72,909.14 8893.72,982.14
  rectangle net P6V5: 8834.72,909.14 8860.72,1003.14
  rectangle net GND: 8695.72,728.14 8752.72,841.14
  rectangle net GND: 8699.72,623.14 8751.72,731.14
  rectangle net GND: 8718.72,626.14 8867.72,687.14
  rectangle net GND: 8757.72,1270.14 8831.72,1348.14
  rectangle net GND: 9365.72,724.14 9408.72,783.14
  rectangle net GND: 8602.72,1052.14 8671.72,1132.14
  rectangle net P30V0: 8568.72,1200.14 8693.72,1275.14
  rectangle net GND: 7126.17,908.14 7161.17,1157.14
  rectangle net P6V5: 7189.17,909.14 7240.17,982.14
  rectangle net P6V5: 7181.17,909.14 7207.17,1003.14
  rectangle net GND: 7042.17,728.14 7099.17,841.14
  rectangle net GND: 7046.17,623.14 7098.17,731.14
  rectangle net GND: 7065.17,626.14 7214.17,687.14
  rectangle net GND: 7104.17,1270.14 7178.17,1348.14
  rectangle net GND: 7712.17,724.14 7755.17,783.14
  rectangle net GND: 6949.17,1052.14 7018.17,1132.14
  rectangle net P30V0: 6915.17,1200.14 7040.17,1275.14
  rectangle net GND: 5472.63,908.14 5507.63,1157.14
  rectangle net P6V5: 5535.63,909.14 5586.63,982.14
  rectangle net P6V5: 5527.63,909.14 5553.63,1003.14
  rectangle net GND: 5388.63,728.14 5445.63,841.14
  rectangle net GND: 5392.63,623.14 5444.63,731.14
  rectangle net GND: 5411.63,626.14 5560.63,687.14
  rectangle net GND: 5450.63,1270.14 5524.63,1348.14
  rectangle net GND: 6058.63,724.14 6101.63,783.14
  rectangle net GND: 5295.63,1052.14 5364.63,1132.14
  rectangle net P30V0: 5261.63,1200.14 5386.63,1275.14
  rectangle net GND: 3819.09,908.14 3854.09,1157.14
  rectangle net P6V5: 3882.09,909.14 3933.09,982.14
  rectangle net P6V5: 3874.09,909.14 3900.09,1003.14
  rectangle net GND: 3735.09,728.14 3792.09,841.14
  rectangle net GND: 3739.09,623.14 3791.09,731.14
  rectangle net GND: 3758.09,626.14 3907.09,687.14
  rectangle net GND: 3797.09,1270.14 3871.09,1348.14
  rectangle net GND: 4405.09,724.14 4448.09,783.14
  rectangle net GND: 3642.09,1052.14 3711.09,1132.14
  rectangle net P30V0: 3608.09,1200.14 3733.09,1275.14
  rectangle net GND: 2165.54,908.14 2200.54,1157.14
  rectangle net P6V5: 2228.54,909.14 2279.54,982.14
  rectangle net P6V5: 2220.54,909.14 2246.54,1003.14
  rectangle net GND: 2081.54,728.14 2138.54,841.14
  rectangle net GND: 2085.54,623.14 2137.54,731.14
  rectangle net GND: 2104.54,626.14 2253.54,687.14
  rectangle net GND: 2143.54,1270.14 2217.54,1348.14
  rectangle net GND: 2751.54,724.14 2794.54,783.14
  rectangle net GND: 1988.54,1052.14 2057.54,1132.14
  rectangle net P30V0: 1954.54,1200.14 2079.54,1275.14
  region net GND: 14837,1145 14837,1436 14745,1436 14745,1145
  rectangle net P3V3: 12941,2532 12966,2566
  region net GND: 12675.73,2455.06 12675.73,2533.8 12645,2533.8 12645,2455.06
  rectangle net GND: 13216,2466 13271,2492
  rectangle net P6V5: 13425.2,2654.53 13490.16,2719.49
  rectangle net NetC21_2: 14741.57,915 14840,1092.17
  rectangle net P30V0: 13228.35,3523.62 13464.57,3681.1
  rectangle net P12V0: 14755.91,3291.45 14803.15,3311.02
  text "Layer" at 6921.12,3333.96 h60
  text "Name" at 7331.03,3333.96 h60
  text "Material" at 8270.78,3333.96 h60
  text "Thickness" at 9130.54,3333.96 h60
  text "Constant" at 9780.38,3333.96 h60
  text "Board Layer Stack" at 10350.24,3333.96 h60
  text "1" at 6921.12,3213.96 h60
  text "Top Overlay" at 7331.03,3213.96 h60
  text "2" at 6921.12,3093.96 h60
  text "Top Solder" at 7331.03,3093.96 h60
  text "Solder Resist" at 8270.78,3093.96 h60
  text "0.010mm" at 9130.54,3093.96 h60
  text "3.5" at 9780.38,3093.96 h60
  text "3" at 6921.12,2973.96 h60
  text "Component Side" at 7331.03,2973.96 h60
  text "Copper" at 8270.78,2973.96 h60
  text "0.056mm" at 9130.54,2973.96 h60
  text "4" at 6921.12,2853.96 h60
  text "Dielectric 1" at 7331.03,2853.96 h60
  text "FR-4" at 8270.78,2853.96 h60
  text "0.360mm" at 9130.54,2853.96 h60
  text "4.8" at 9780.38,2853.96 h60
  text "5" at 6921.12,2733.96 h60
  text "Signal Layer 1" at 7331.03,2733.96 h60
  text "Copper" at 8270.78,2733.96 h60
  text "0.036mm" at 9130.54,2733.96 h60
  text "6" at 6921.12,2613.96 h60
  text "Dielectric 5" at 7331.03,2613.96 h60
  text "0.700mm" at 9130.54,2613.96 h60
  text "4.2" at 9780.38,2613.96 h60
  text "7" at 6921.12,2493.96 h60
  text "Power Plane" at 7331.03,2493.96 h60
  text "Copper" at 8270.78,2493.96 h60
  text "0.036mm" at 9130.54,2493.96 h60
  text "8" at 6921.12,2373.96 h60
  text "Dielectric 4" at 7331.03,2373.96 h60
  text "0.360mm" at 9130.54,2373.96 h60
  text "4.2" at 9780.38,2373.96 h60
  text "9" at 6921.12,2253.96 h60
  text "Solder Side" at 7331.03,2253.96 h60
  text "Copper" at 8270.78,2253.96 h60
  text "0.056mm" at 9130.54,2253.96 h60
  text "10" at 6921.12,2133.96 h60
  text "Bottom Solder" at 7331.03,2133.96 h60
  text "Solder Resist" at 8270.78,2133.96 h60
  text "0.010mm" at 9130.54,2133.96 h60
  text "3.5" at 9780.38,2133.96 h60
  text "11" at 6921.12,2013.96 h60
  text "Bottom Overlay" at 7331.03,2013.96 h60
Signal Layer 1:
  rectangle net N8V0: 490,1364 542,1420
Solder Side:
  rectangle net GND: 13359,392 13732,701
  rectangle net NetC21_2: 15105,701 15203,791
  rectangle net NetC21_2: 13747,619.11 13822.86,744
  rectangle net GND: 14002.91,2861.17 14304.18,3083.71
  rectangle net P30V0: 2942.91,1289.37 3248.03,1348.43
  rectangle net NetC21_2: 14745,1000 14820,1095
Power Plane (plane layer: these items are gaps in the copper):
  rectangle: 13248.03,3543.31 13425.2,3661.42

## Silkscreen, mask and mechanical layers (free items; w line width, h text height)
Top Overlay:
  text "P1_3" at 15005,4090 h39.37 r90
  text "DXN" at 14816.57,4064.96 h39.37 r90
  text "P30V0" at 13681.1,4055.12 h39.37 r270
  text "P2_3" at 14905.16,4055.12 h39.37 r90
  text "P2_1" at 14619.72,4045.28 h39.37 r90
  text "P1_1" at 14722.95,4041.89 h39.37 r90
  text "30V" at 12790,3755 h60
  text "G" at 14575,3694.69 h25
  text "N1" at 14665,3694.69 h25
  text "P22" at 14741,3694.69 h25
  text "P12" at 14879.8,3694.69 h25
  text "N3" at 15005,3694.69 h25
  text "G" at 12992.13,3385.83 h60
  text "12V" at 12992.13,3287.4 h60
  text "PG / N8V0" at 14547.24,3031.5 h30
  text "GND" at 12992.13,2854.33 h60
  text "RESET" at 15279,2134 h30 r90
  text "Booster / Main board / v1.1" at 12991,1418 h60
  text "P30V0" at 3149.61,1309.06 h39.37 r270
  text "LD10" at 13671.26,1200.79 h39.37 r90
  text "LD9" at 13740.16,1200.79 h39.37 r90
  text "LD11" at 13799.21,1200.79 h39.37 r90
  text "P30V0" at 15098.43,688.98 h30 r270
  text "P6V0" at 15162.05,663.21 h30 r270
  text "N8V0" at 15038.39,662.4 h30 r270
  text "P3V3" at 15223.05,662.21 h30 r270
  text "P5V0" at 15285.05,659.21 h30 r270
Mechanical 1:
  lines w20: 12598.43,1653.54 -374.02,1653.54 -374.02,0 15354.33,0 15354.33,4606.3 12598.43,4606.3 ; 12599.43,1656.54 12599.43,4606.3
Mechanical 8:
  lines w3.94: 1653.54,0 3307.09,0 ; 3307.09,-39.37 4960.63,-39.37 ; 4960.63,0 6614.17,0 ; 6614.17,-39.37 8267.72,-39.37 ; 8267.72,0 9921.26,0
Drill Drawing:
  drawing of 295 lines, arcs and shapes, not listed
  text "Layer" at 7432.05,3709.21 h60
  text "Name" at 7841.96,3709.21 h60
  text "Material" at 8781.7,3709.21 h60
  text "Thickness" at 9641.47,3709.21 h60
  text "Constant" at 10291.3,3709.21 h60
  text "Board Layer Stack" at 10861.16,3709.21 h60
  text "1" at 7432.05,3589.21 h60
  text "Top Overlay" at 7841.96,3589.21 h60
  text "2" at 7432.05,3469.21 h60
  text "Top Solder" at 7841.96,3469.21 h60
  text "Solder Resist" at 8781.7,3469.21 h60
  text "0.010mm" at 9641.47,3469.21 h60
  text "3.5" at 10291.3,3469.21 h60
  text "3" at 7432.05,3349.21 h60
  text "Component Side" at 7841.96,3349.21 h60
  text "Copper" at 8781.7,3349.21 h60
  text "0.056mm" at 9641.47,3349.21 h60
  text "4" at 7432.05,3229.21 h60
  text "Dielectric 1" at 7841.96,3229.21 h60
  text "FR-4" at 8781.7,3229.21 h60
  text "0.360mm" at 9641.47,3229.21 h60
  text "4.8" at 10291.3,3229.21 h60
  text "5" at 7432.05,3109.21 h60
  text "Signal Layer 1" at 7841.96,3109.21 h60
  text "Copper" at 8781.7,3109.21 h60
  text "0.036mm" at 9641.47,3109.21 h60
  text "6" at 7432.05,2989.21 h60
  text "Dielectric 5" at 7841.96,2989.21 h60
  text "0.700mm" at 9641.47,2989.21 h60
  text "4.2" at 10291.3,2989.21 h60
  text "7" at 7432.05,2869.21 h60
  text "Power Plane" at 7841.96,2869.21 h60
  text "Copper" at 8781.7,2869.21 h60
  text "0.036mm" at 9641.47,2869.21 h60
  text "8" at 7432.05,2749.21 h60
  text "Dielectric 4" at 7841.96,2749.21 h60
  text "0.360mm" at 9641.47,2749.21 h60
  text "4.2" at 10291.3,2749.21 h60
  text "9" at 7432.05,2629.21 h60
  text "Solder Side" at 7841.96,2629.21 h60
  text "Copper" at 8781.7,2629.21 h60
  text "0.056mm" at 9641.47,2629.21 h60
  text "10" at 7432.05,2509.21 h60
  text "Bottom Solder" at 7841.96,2509.21 h60
  text "Solder Resist" at 8781.7,2509.21 h60
  text "0.010mm" at 9641.47,2509.21 h60
  text "3.5" at 10291.3,2509.21 h60
  text "11" at 7432.05,2389.21 h60
  text "Bottom Overlay" at 7841.96,2389.21 h60

## Text inside footprints (layer, text, board x,y; h text height)
CON2_1: Top Overlay "1" at 12925.7,4279.06 h39.37; Mechanical 14 "1" at 12925.7,4279.06 h39.37
CON2_2: Top Overlay "1" at 14189.48,4280.04 h39.37; Mechanical 14 "1" at 14189.48,4280.04 h39.37
CON2_3: Top Overlay "1" at 13558.58,4280.04 h39.37; Mechanical 14 "1" at 13558.58,4280.04 h39.37
CON42_1: Top Overlay "1" at 13240.66,4279.06 h39.37; Mechanical 14 "1" at 13240.66,4279.06 h39.37
CON42_2: Top Overlay "1" at 14504.44,4280.04 h39.37; Mechanical 14 "1" at 14504.44,4280.04 h39.37
CON42_3: Top Overlay "1" at 13873.54,4280.04 h39.37; Mechanical 14 "1" at 13873.54,4280.04 h39.37
J2: Top Overlay "30" at 13380.12,91.85 h40 r180; Mechanical 14 "30" at 13380.12,91.85 h40 r180
J3: Top Overlay "1" at 12834.06,3611.42 h47.24 r270; Top Overlay "4" at 12834.06,3022.24 h47.24 r270; Mechanical 14 "1" at 12834.06,3611.42 h47.24 r270; Mechanical 14 "4" at 12834.06,3022.24 h47.24 r270
J4: Top Overlay "10" at 14610,3784.99 h40 r180; Mechanical 14 "10" at 14610,3784.99 h40 r180